# Allegro board RK3588S_Template_LP5D315P232SD10H2_42x42_2750MHz_1R2_V10_20220413YWQ.brd (continued)
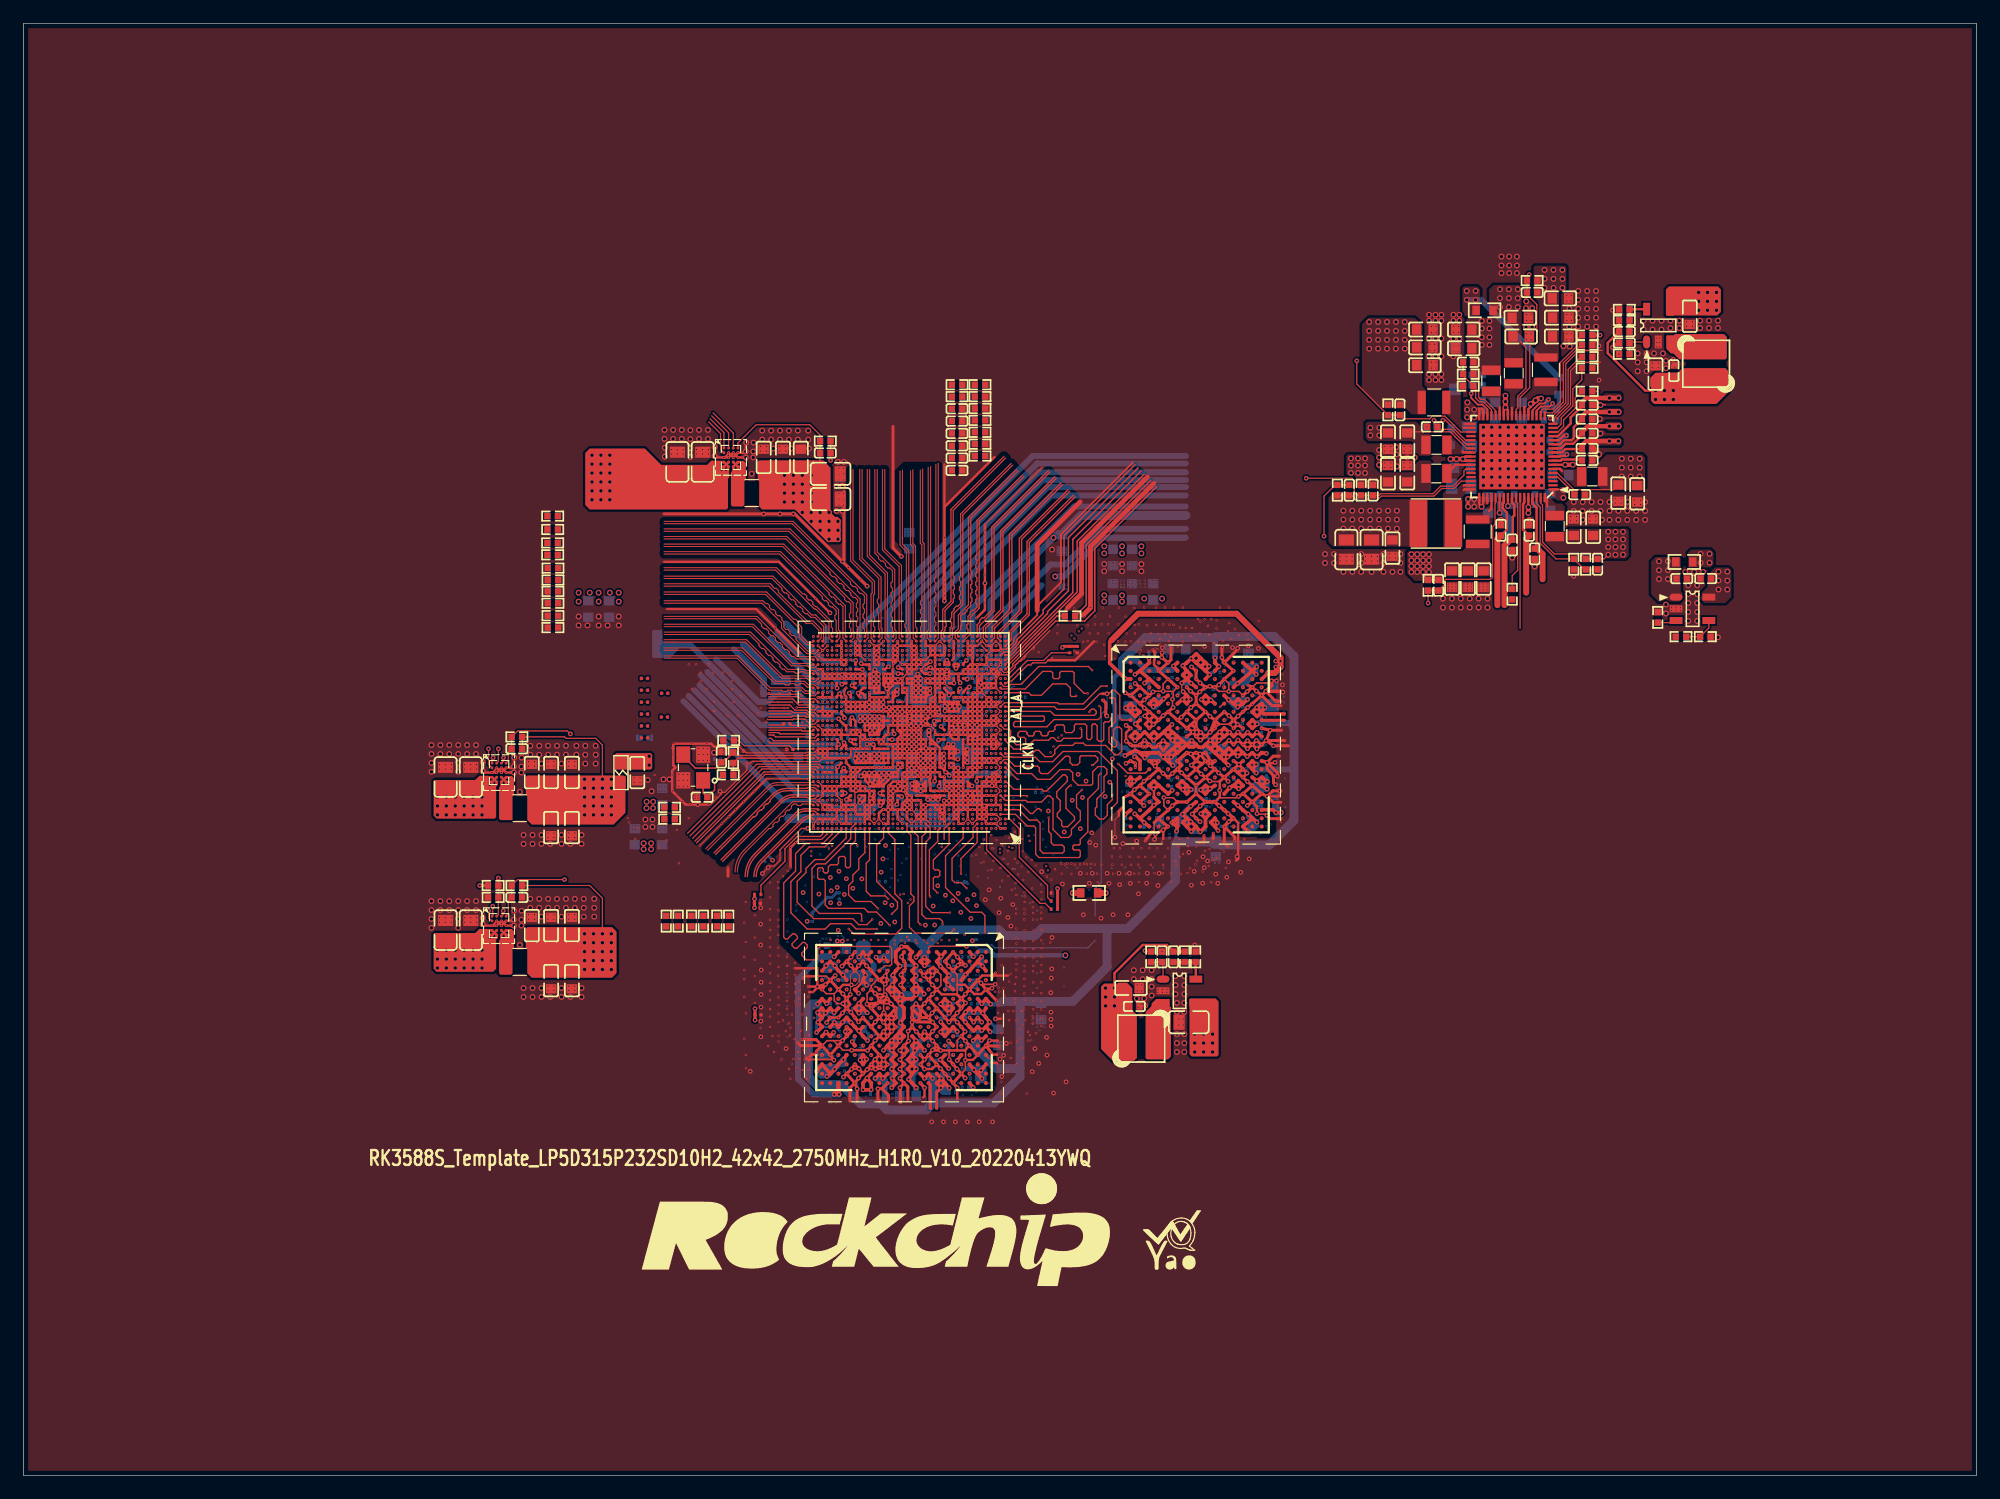
[diagram p0: board, top side]
## Routing (per net, layer and track width the routed paths; a pad name or vN(x,y) marks a point on that pad's centre or on a via; arc(x,y) is an arc through that point) (continued)
SDMMC_D3: length 21.2
  TOP w0.107: U1000.AT1 83.89,69.3 85.43,70.84 85.43,70.9 85.56,71.03
  TOP w0.122: 85.56,71.03 86.46,71.92 90.04,75.5 90.04,79.84 95.78,85.58
SDMMC_DET_L: length 12.9
  L3-S1 w0.076: v3(69.09,64.1) 69,64.1 68.63,63.73 68.14,63.73 67.94,63.93 66.24,63.93
  L3-S1 w0.102: 57.36,66.28 60.72,66.28 63.07,63.93 66.24,63.93
SDMMC_PWREN: length 13.4
  L3-S1 w0.076: 73.05,72.57 73.05,72.52 73,72.47 73,70.64 73.49,70.14 v3(73.49,70.1)
  L3-S1 w0.102: 73.05,83.29 73.05,72.57
SL_PWREN: length 10.3
  L3-S1 w0.076: v3(68.69,70.5) 68.44,70.5 68.2,70.74 68.2,71.34 66.98,72.57
  L3-S1 w0.102: 66.98,72.57 61.78,77.76
SLEEP1_RESET1_DEVOFF1_VSEL1: length 22.8
  TOP w0.102: 127.87,72.39 127.87,83.19 127.88,83.2 U2200.62
  L3-S1 w0.076: 66.2,62.79 66.52,62.47 67.86,62.47 v3(67.89,62.5)
  L3-S1 w0.102: 66.2,62.79 61.61,62.79 60.47,63.93 56.85,63.93
SPI2_CLK_M2: length 12.2
  L3-S1 w0.076: 66.24,63.32 67.83,63.32 68.04,63.12 68.45,63.12 68.67,62.9 v3(68.69,62.9)
  L3-S1 w0.102: 57.36,64.95 60.48,64.95 62.11,63.32 66.24,63.32
SPI2_MOSI_M2: length 13.5
  TOP w0.102: R1116.1 134.56,92.64
  L3-S1 w0.076: 66.14,62.38 66.39,62.13 68.32,62.13 v3(68.69,62.5)
  L3-S1 w0.102: 66.14,62.38 61.44,62.38 60.4,63.42 56.34,63.42
SPI4_MISO_M2_TP: length 8.1
  L3-S1 w0.076: 66.2,57.25 66.59,57.64 68.24,57.64 v3(68.29,57.7)
  L3-S1 w0.102: 66.2,57.25 62.56,53.61 62.56,52.96
SPI4_MOSI_M2_TP: length 10.5
  L3-S1 w0.076: v3(68.29,59.3) 68.22,59.3 68,59.08 66.24,59.08
  L3-S1 w0.102: 66.24,59.08 65.99,59.08 65.01,58.1 65.01,57.78 61.16,53.94 61.16,52.96
SPK_CTL_H: length 19.5
  L3-S1 w0.076: v3(78.29,69.7) 78.44,69.84 78.44,70.28 78.57,70.42 78.57,72.31 78.44,72.44 78.44,72.57
  L3-S1 w0.102: 78.44,72.57 78.44,73.45 77.73,74.16 77.73,77.29 78.08,77.65 78.08,82.98 77.5,83.56 77.5,88.34
TP_INT_L: length 5.6
  L3-S1 w0.076: v3(68.29,56.47) 67.38,56.47 66.24,55.34 66.24,55.28
  L3-S1 w0.102: 66.24,55.28 64.57,53.61 64.57,52.96
TP_RST_L: length 13.5
  L3-S1 w0.076: v3(68.69,59.7) 68.57,59.7 68.15,60.12 66.97,60.12 66.61,59.77 66.24,59.77
  L3-S1 w0.102: 59.26,52.16 59.26,53.21 64.86,58.82 65.81,59.77 66.24,59.77
TSADC_SHUT: length 12.5
  L3-S1 w0.076: 66.24,64.16 66.32,64.08 68,64.08 68.2,63.88 68.47,63.88 v3(68.69,64.1)
  L3-S1 w0.102: 57.36,66.59 60.79,66.59 63.22,64.16 66.24,64.16
TYPEC0_DP0_REXT: length 1.7
  L3-S1 w0.076: v4(79.67,71.68) 79.62,71.62 79.62,71.51 79.65,71.48 79.65,70.74 v3(79.89,70.5)
  L8-S3 w0.102: v5(79.38,71.86) 79.5,71.86 v4(79.67,71.68)
TYPEC0_OTG_DM: length 3.4
  L3-S1 w0.066: 80.34,74.22 80.22,74.1 80.22,70.97 v3(80.29,70.9)
TYPEC0_OTG_DP: length 3.5
  L3-S1 w0.066: 80.15,74.27 80.05,74.17 80.05,71.06 v3(79.89,70.9)
TYPEC0_OTG_VBUSDET: length 19.7
  L3-S1 w0.076: 79.27,72.57 79.27,72.48 79.2,72.41 79.2,71.33 79.34,71.19 79.34,70.14 79.71,69.77 79.96,69.77 80.29,70.1 v3(80.29,70.1)
  L3-S1 w0.102: 79.05,88.44 79.05,73.98 79.27,73.76 79.27,72.57
TYPEC0_SBU1: length 19
  L3-S1 w0.102: 81.26,89.97 81.26,73.96 80.82,73.51 80.82,71.58 81.09,71.31 v3(81.09,71.3)
TYPEC0_SBU1_DC: length 17.5
  L3-S1 w0.076: 76.23,72.95 76.44,72.74 76.44,71.18 76.3,71.03 76.3,70.5 v3(76.69,70.1)
  L3-S1 w0.102: 76.23,72.95 76.1,73.08 76.1,77.97 76.45,78.32 76.45,80.93 75.72,81.66 75.72,86.75
TYPEC0_SBU2: length 18.6
  L3-S1 w0.102: v3(81.09,71.7) 81.06,71.73 81.06,73.41 81.51,73.86 81.51,90.07
TYPEC0_SBU2_DC: length 17.4
  L3-S1 w0.076: v3(77.09,70.5) 77.44,70.84 77.44,71.79 76.95,72.28 76.95,72.95
  L3-S1 w0.102: 76.95,72.95 76.95,73.29 76.71,73.52 76.71,77.71 77.06,78.07 77.06,81.18 76.33,81.91 76.33,87.01
TYPEC0_SSRX1N: length 16.2
  TOP w0.097: U1000.BA10 80.9,71.91 80.9,73.34 81.66,74.1 81.66,81.53 85.5,85.37
TYPEC0_SSRX1P: length 16.6
  TOP w0.097: 85.36,85.5 81.47,81.61 81.47,78.69 81.37,78.6 81.37,78.32 81.47,78.22 81.47,77.94 81.37,77.85 81.37,77.57 81.47,77.47 81.47,77.19 81.37,77.09 81.37,76.82 81.47,76.72 81.47,76.44 81.37,76.34 81.37,76.06 81.47,75.97 81.47,75.69 81.37,75.59 81.37,75.31 81.47,75.22 81.47,74.94 81.37,74.84 81.37,74.56 81.47,74.46 81.47,74.18 81.24,73.95 81.1,73.95 80.9,73.76 80.9,73.62 80.71,73.42 80.71,72.77 80.61,72.67 80.61,72.4 80.71,72.3 80.71,72.02 80.39,71.7 U1000.BB10
TYPEC0_SSRX2N: length 17.3
  TOP w0.097: U1000.BA13 79.37,71.58 79.37,72.36 79.5,72.49 79.5,73.67 80.26,74.43 80.26,82.08 84.52,86.34
TYPEC0_SSRX2P: length 17.4
  TOP w0.097: 84.39,86.48 80.07,82.16 80.07,76.89 79.98,76.8 79.98,76.49 80.07,76.4 80.07,76.02 79.97,75.92 79.97,75.64 80.07,75.54 80.07,75.26 79.97,75.17 79.97,74.89 80.07,74.79 80.07,74.51 79.84,74.29 79.71,74.29 79.51,74.09 79.51,73.95 79.31,73.75 79.31,73.32 79.21,73.23 79.21,72.95 79.31,72.85 79.31,72.57 79.18,72.44 79.18,71.78 U1000.BB13
TYPEC0_SSTX1N: length 17
  TOP w0.097: U1000.BA11 79.61,71.58 79.61,72.09 79.88,72.36 79.88,73.53 80.74,74.39 80.74,81.87 84.87,85.99
TYPEC0_SSTX1P: length 16.8
  TOP w0.097: U1000.BB11 79.81,71.78 79.81,72.02 80.08,72.28 80.08,72.56 80.17,72.66 80.17,72.94 80.08,73.04 80.08,73.45 80.27,73.65 80.41,73.65 80.61,73.85 80.61,73.98 80.94,74.31 80.94,74.59 81.03,74.69 81.03,74.97 80.94,75.07 80.94,75.35 81.03,75.44 81.03,75.72 80.94,75.82 80.94,76.1 81.03,76.19 81.03,76.47 80.94,76.57 80.94,76.85 81.03,76.95 81.03,77.23 80.94,77.32 80.94,81.79 85,85.86
TYPEC0_SSTX2N: length 18.1
  TOP w0.097: 83.78,87.08 79.25,82.55 79.25,74.7 78.55,73.99 78.55,72.28 78.42,72.15 78.42,71.82 78.41,71.82 78.41,71.58 78.49,71.51 78.49,71.51 U1000.BA14
TYPEC0_SSTX2P: length 17.8
  TOP w0.097: U1000.BB14 78.61,71.78 78.61,72.07 78.74,72.2 78.74,72.48 78.84,72.57 78.84,72.85 78.74,72.95 78.74,73.91 79.44,74.62 79.44,74.89 79.54,74.99 79.54,75.27 79.44,75.37 79.44,75.65 79.54,75.74 79.54,76.02 79.44,76.12 79.44,76.4 79.54,76.49 79.54,76.77 79.44,76.87 79.44,82.47 83.92,86.94
TYPEC0_USB20_OTG_ID: length 0.7
  L3-S1 w0.102: v4(80.59,70.5) v3(80.29,70.5)
  L8-S3 w0.102: v5(80.45,70.87) 80.45,70.64 v4(80.59,70.5)
UART2_RX_M0: length 12.9
  L3-S1 w0.076: v3(68.29,66.1) 68.24,66.15 66.81,66.15 66.48,66.48
  L3-S1 w0.102: 57.36,70.96 61.89,70.96 66.37,66.48 66.48,66.48
UART2_TX_M0: length 13.4
  L3-S1 w0.076: 66.55,66.66 66.89,66.32 68.38,66.32 68.6,66.1 v3(68.69,66.1)
  L3-S1 w0.102: 66.55,66.66 66.48,66.66 61.98,71.16 57.36,71.16
UART9_CTSN_M2_BT: length 12.5
  L3-S1 w0.076: v3(71.89,70.9) 71.74,71.05 71.74,71.93 71.99,72.18 71.99,72.57
  L3-S1 w0.102: 71.99,72.57 71.99,75.22 71.53,75.68 71.53,83.03
UART9_RTSN_M2_BT: length 12.8
  L3-S1 w0.076: 72.21,72.57 72.21,72.18 71.9,71.87 71.9,71.3 v3(72.29,70.9)
  L3-S1 w0.102: 71.73,83.17 71.73,75.77 72.21,75.29 72.21,72.57 72.21,72.57
UART9_RX_M2_BT: length 13
  L3-S1 w0.076: 71.57,72.57 71.57,72.2 71.44,72.06 71.44,70.55 v3(71.89,70.1)
  L3-S1 w0.102: 71.57,72.57 71.57,75.06 71.12,75.51 71.12,82.66
UART9_TX_M2_BT: length 12.5
  L3-S1 w0.076: v3(72.29,70.5) 72.54,70.75 72.54,72.4 72.44,72.51 72.44,72.57
  L3-S1 w0.102: 72.44,82.83 72.44,72.57
USB20_HOST0_DM: length 5.6
  L3-S1 w0.066: 85.03,74.36 82.5,71.83 82.5,70.64 82.12,70.26 82.05,70.26 v3(81.89,70.1)
USB20_HOST0_DP: length 5.3
  L3-S1 w0.066: 84.85,74.42 82.33,71.9 82.33,70.71 82.05,70.43 81.96,70.43 v3(81.89,70.5)
USB20_HOST1_DM: length 3.8
  L3-S1 w0.066: 82.8,73.75 81.56,72.51 81.56,71.06 81.44,70.94 81.44,70.55 v3(81.48,70.51)
USB20_HOST1_DP: length 4.4
  L3-S1 w0.066: v3(81.48,70.1) 81.25,70.34 81.25,70.98 81.39,71.13 81.39,72.58 82.62,73.81
USB30_2_SSRXN: length 7.3
  TOP w0.107: U1000.C42 67.45,56.14 arc(67.38,56.19) 67.31,56.2 arc(66.93,56.12) 66.6,55.91 63.13,52.44 arc(62.75,51.86) 62.61,51.18
USB30_2_SSRXP: length 7.6
  TOP w0.107: U1000.D42 67.44,56.45 arc(67.38,56.41) 67.31,56.4 arc(66.85,56.31) 66.46,56.05 63.61,53.2 62.99,52.58 arc(62.57,51.94) 62.42,51.18
USB30_2_SSTXN: length 8.9
  TOP w0.107: U1000.D41 67.66,56.73 arc(67.61,56.77) 67.55,56.78 66.8,56.78 arc(66.44,56.71) 66.14,56.51 66.07,56.44 62.6,52.97 arc(62.05,52.15) 61.86,51.18
USB30_2_SSTXP: length 9.1
  TOP w0.107: 61.67,51.18 arc(61.87,52.22) 62.46,53.11 65.6,56.24 66,56.64 arc(66.37,56.89) 66.8,56.98 67.71,56.98 arc(67.81,56.96) U1000.E41
USB_AVDD_1V8: length 3.7
  TOP w0.203: 78.91,69.65 78.84,69.65 78.69,69.5 U1000.AT14 U1000.AT13 79.09,69.47 78.91,69.65 ; 78.91,69.65 v1(78.89,69.67)
  BOTTOM w0.305: 78.55,70.1 78.55,69.74 C1406.1 78.61,69.67 v1(78.89,69.67)
  BOTTOM w0.508: 78.55,70.1 78.55,70.6 R1401.1 R1402.1
USB_HOST_PWREN_H: length 18.6
  L3-S1 w0.076: v3(75.09,69.7) 75.34,69.46 75.6,69.46 76.14,70 76.14,71.09 76.29,71.24 76.29,72.62 75.95,72.96
  L3-S1 w0.102: 75.95,72.96 75.9,73.01 75.9,78.05 76.25,78.4 76.25,80.72 75.51,81.46 75.51,86.53
VSEL2: length 13.8
  TOP w0.104: v1(40.09,48.64) 40.09,47.84 U2300.A1
  L3-S1 w0.076: v3(68.69,64.5) 68.47,64.72 66.34,64.72 66.28,64.77
  L3-S1 w0.102: 66.28,64.77 64.5,64.77 61.02,68.25 57.36,68.25
VSEL3: length 16.3
  TOP w0.102: U2302.A1 59.85,89.12 58.67,90.3
  L3-S1 w0.076: v3(69.09,67.7) 68.74,68.05 67.1,68.05 66.21,68.95
  L3-S1 w0.102: 66.21,68.95 62.56,72.59 57.85,72.59
VSEL4: length 14.8
  L3-S1 w0.076: 66.24,65.18 66.33,65.18 66.48,65.02 69.24,65.02 69.89,65.68 v3(69.89,65.7)
  L3-S1 w0.102: 66.24,65.18 65.9,65.18 61.34,69.74 57.36,69.74
VSEL5: length 13.9
  L3-S1 w0.076: 66.65,66.85 67.03,66.47 68.45,66.47 68.6,66.32 68.87,66.32 v3(69.09,66.1)
  L3-S1 w0.102: 57.36,71.36 62.06,71.36 66.57,66.85 66.65,66.85
VSEL6: length 4.6
  TOP w0.102: U1000.AG42 67.34,65.85 66.23,65.85 65.73,66.35 63.69,66.35
  TOP w0.104: v1(40.13,61.34) 40.13,61.21 40.04,61.12 U2301.A1
WIFI_REG_ON_H: length 13
  L3-S1 w0.076: v3(68.29,67.3) 68.07,67.08 67.21,67.08 66.21,68.08
  L3-S1 w0.102: 57.36,71.97 62.32,71.97 66.21,68.08
WIFI_WAKE_HOST_H: length 13.7
  L3-S1 w0.076: 65.99,62.18 66.09,62.18 66.29,61.98 67.47,61.98 68.56,61.97 v3(69.09,62.5)
  L3-S1 w0.102: 56.11,63.19 60.34,63.19 61.36,62.18 65.99,62.18
XIN: length 12.9
  TOP w0.102: 67.01,61.58 67.61,61.58 U1000.T41
  TOP w0.127: Y1100.3 56.38,61.48 57.4,60.45 59.15,60.45 C1112.1 59.94,61.25 60.12,61.25 R1102.2 60.91,61.53 66.96,61.53 67.01,61.58
XOUT: length 8
  TOP w0.127: R1100.2 60.66,59.88 R1102.1 61.07,61.3 67.49,61.3 U1000.T42
N30600922: length 9.4
  TOP w0.107: R1202.1 87.31,48.89 86.87,48.89 82.29,53.47 U1000.A5
N30600936: length 6.7
  TOP w0.102: U1000.AM1 83.99,67.7 84.16,67.87 84.16,68.04 85.77,69.65 87.17,69.65 87.83,70.3 R1200.1
N30601110: length 8.8
  TOP w0.107: U1000.C1 84.25,56.1 85.09,55.26 85.09,52.83 87.5,50.42 87.5,49.4 R1201.1
N30601240: length 9
  TOP w0.107: U1000.A40 68.29,54.83 68.07,54.61 66.12,54.61 65.07,53.56 65.07,52.49 63.01,50.44 R1203.1
N30910269: length 2.5
  TOP w0.203: U2200.8 131.34,86.72 131.45,86.82 133.07,86.82 C2265.1
N30961579: length 7
  TOP w0.203: U2302.D3 60.65,86.59 U2302.E4 ; U2302.E4 61.51,86.19 61.59,86.11 ; U2302.E4 61.05,83.97 61.03,83.95 60.65,84.33 U2302.E3 60.65,86.2 U2302.D4 61.05,86.59 61.49,86.59 61.59,86.49
N30962042: length 2.4
  TOP w0.102: R2305.2 C2329.1 137.32,96.86 U2303.1
N30962062: length 3.4
  TOP w0.203: C2326.2 R2306.2 R2307.1 137.24,99.66 U2303.5
N30962978: length 7
  TOP w0.203: U2301.D3 U2301.E4 ; U2301.E4 41.69,59.27 41.78,59.18 ; U2301.E4 41.24,57.05 41.22,57.02 40.84,57.4 U2301.E3 U2301.D4 41.68,59.67 41.78,59.56
N30963105: length 7
  TOP w0.203: U2300.E4 41.69,46.19 41.78,46.1 ; U2300.E4 U2300.D3 ; U2300.E4 41.24,43.96 41.22,43.94 40.84,44.32 U2300.E3 U2300.D4 41.68,46.59 41.78,46.48
N31111434: length 3.9
  TOP w0.107: U1000.AB42 67.41,63.62 66.56,63.62 66.48,63.69 63.69,63.69
N31111436: length 4
  TOP w0.107: 63.69,64.82 65.63,64.82 65.71,64.9 66.8,64.9 66.89,64.81 67.19,64.81 U1000.AD42
N31111592: length 2.6
  TOP w0.107: U1000.AB41 67.61,63.98 67.08,63.98 66.96,64.1 65.61,64.1 R1309.1
N31277521: length 2.4
  TOP w0.102: R3950.2 C1291.1 97.37,43.79 U3902.1
N31277531: length 3.4
  TOP w0.203: U3902.5 100.17,43.86 R3952.1 R3951.2 C1292.2
N32124849: length 2.9
  TOP w0.102: U2304.4 144,72.43 R2310.1 R2309.2
N32124977: length 1.6
  TOP w0.102: R2311.1 141.02,72.88 U2304.3
N64919975: length 4
  TOP w0.127: Y1100.1 58.08,58.32 C1111.1 59.05,58.58 59.05,59.17 R1100.1
N65305579: length 1.9
  TOP w0.254: R3900.1 105.82,64.53 U3900.H15
N65308448: length 2.2
  TOP w0.254: R3901.1 77.48,33.39 U3901.H15

## Copper pours and planes (outline as drawn; the poured copper is in the pictures)
GND on TOP: 131.32,99.95 131.32,97.03 132.21,96.14 132.59,96.14 132.72,96.27 132.72,99.82 132.46,100.08 131.44,100.08
GND on TOP: 0.41,0.41 0.41,123.67 166.47,123.67 166.47,0.41 ; 1 cut-out
GND on BOTTOM, L2-GND1, L4-POWER1, L5-POWER2, L6-S2, L7-GND2, L8-S3, L9-GND3: 0.41,0.41 0.41,123.67 166.47,123.67 166.47,0.41
GND on L3-S1: 0.41,0.41 0.41,123.67 166.47,123.67 166.47,0.41 ; 1 cut-out
VCC1V8_PMU_DDR_S3 on TOP: 124.46,101.35 124.46,99.19 124.33,99.06 123.19,99.06 122.94,99.31 122.94,101.47 123.06,101.6 124.21,101.6
VCC1V8_PMU_DDR_S3 on L3-S1: 109.22,68.83 109.47,69.09 109.47,94.36 114.94,99.82 124.21,99.82 124.71,100.33 124.71,101.98 123.95,102.74 111,102.74 106.55,98.3 106.55,69.22 106.93,68.83
VCC1V8_PMU_DDR_S3 on L6-S2: 85.34,30.86 89.79,35.31 89.79,43.05 90.3,43.56 97.54,43.56 101.79,47.82 104.2,47.82 107.44,51.05 107.44,53.47 109.6,55.63 109.6,69.47 109.22,69.85 106.81,69.85 106.04,69.09 106.04,67.69 107.57,66.17 107.57,57.53 106.81,56.77 106.81,55.75 104.9,53.85 105.28,53.47 105.28,51.69 103.38,49.78 97.66,49.78 94.23,46.36 89.79,46.36 88.14,44.7 88.14,35.94 84.58,32.39 81.53,32.39 81.41,32.51 81.41,33.27 81.28,33.4 81.03,33.4 80.77,33.15 80.77,32.51 80.64,32.39 70.61,32.39 70.1,32.89 69.21,32.89 68.96,32.64 68.96,31.12 69.21,30.86
VCC_1V1_NLDO_S3 on TOP (solid shape): 145.67,94.36 145.67,92.58 144.65,91.57 139.32,91.57 139.06,91.82 139.06,93.85 139.45,94.23 140.2,94.23 140.21,94.23 140.33,94.21 140.46,94.23 140.47,94.23 141.35,94.23 141.73,94.61 145.41,94.61
VCC_1V1_NLDO_S3 on L3-S1: 136.02,94.11 140.72,94.11 141.35,93.47 141.35,91.69 140.84,91.19 139.7,91.19 134.37,85.85 131.32,85.85 131.19,85.98 131.19,89.28
VCC_1V8_S0 on BOTTOM (solid shape): 65.53,68.2 65.53,67.56 63.88,67.56 63.88,68.2 64.01,68.33 65.4,68.33
VCC_1V8_S0 on BOTTOM (solid shape): 71.5,58.16 71.6,58.14 71.7,58.16 71.71,58.17 71.75,58.17 72.01,57.91 72.01,57.81 71.97,57.74 71.95,57.68 71.95,57.56 72,57.45 72.01,57.44 72.01,57.4 72.14,57.28 72.39,57.28 72.52,57.4 73.28,57.4 73.41,57.28 73.41,57.15 73.28,57.02 73.02,57.02 71.75,55.75 69.98,55.75 69.85,55.88 69.85,56.39 69.98,56.51 70.66,56.51 70.71,56.5 70.75,56.49 70.86,56.49 70.91,56.5 70.97,56.52 71.12,56.52 71.25,56.64 71.25,57.6 71.27,57.63 71.27,57.84 71.25,57.86 71.25,58.04 71.37,58.17 71.5,58.17
VCC_1V8_S3 on TOP: 126.49,94.87 126.49,98.81 126.24,99.06 125.35,99.06 125.22,99.19 125.22,101.35 125.6,101.73 127.76,101.73 128.02,101.47 128.02,96.39 128.14,96.27 128.14,95 128.02,94.87
VCC_2V0_PLDO_S3 on TOP: 120.27,87.25 120.14,87.12 119.25,87.12 119.13,87.25 119,87.25 118.87,87.38 118.87,88.14 118.62,88.39 114.94,88.39 114.68,88.65 114.68,89.92 114.81,90.04 119,90.04 119.38,89.66 119.38,89.28 119.63,89.03 120.14,89.03 120.27,88.9
VCC_2V0_PLDO_S3 on L8-S3: 124.21,84.45 124.84,83.82 126.62,83.82 127.38,83.06 127.38,81.53 126.75,80.9 123.82,80.9 122.36,82.36 122.36,84.39 118.62,88.14 115.19,88.14 114.81,88.52 114.81,89.79 114.94,89.92 119.63,89.92 121.79,87.76 123.44,87.76 124.21,87
VCC_3V3_S0 on TOP: 141.48,78.49 139.45,78.49 139.06,78.11 139.06,75.31 139.7,74.68 141.48,74.68 141.73,74.93 141.73,75.44 141.6,75.56 141.6,78.36
VCC_3V3_S3 on TOP: 143.64,74.55 145.41,74.55 145.92,75.06 145.92,77.34 145.67,77.6 144.53,77.6 143.89,76.96 143.89,75.95 143.26,75.31 143.26,74.93
VCC_3V3_S3 on TOP: 134.49,86.49 134.49,84.58 134.87,84.2 138.3,84.2 138.56,84.45 138.56,87 138.3,87.25 135.25,87.25
VCC_SYSIN on TOP (solid shape): 145.03,101.35 145.03,99.44 144.72,99.12 141.03,99.12 141.02,99.11 140.41,99.11 140.33,99.19 140.33,101.35 140.59,101.6 144.78,101.6
VCC_SYSIN on TOP (solid shape): 102.11,40.51 102.11,35.94 101.98,35.81 99.82,35.81 99.63,36 99.63,40.07 99.62,40.08 99.62,40.69 99.69,40.77 101.85,40.77
VCC_SYSIN on TOP (solid shape): 39.75,58.93 40.39,58.93 40.39,56.26 40.26,56.13 35.31,56.13 35.05,56.39 35.05,59.31 35.18,59.44 38.61,59.44 38.96,59.79 39.75,59.79
VCC_SYSIN on TOP (solid shape): 39.75,45.85 40.39,45.85 40.39,43.31 40.13,43.05 35.31,43.05 35.05,43.31 35.05,46.23 35.18,46.36 38.61,46.36 38.96,46.71 39.75,46.71
VCC_SYSIN on TOP (solid shape): 54.48,86.36 58.42,86.36 58.77,86.71 59.56,86.71 59.56,85.85 60.2,85.85 60.2,82.68 60.07,82.55 48.39,82.55 48.01,82.93 48.01,87.38 48.39,87.76 53.09,87.76
VCC_SYSIN on TOP: 123.32,90.17 124.83,90.17 124.83,91.2 124.71,91.31 124.33,91.31 123.7,91.95 123.19,91.95 123.06,91.82 123.06,90.42
VCC_SYSIN on TOP: 125.18,83.14 125.18,83.69 123.32,83.69 123.19,83.57 123.19,82.68 123.32,82.55 124.59,82.55
VCC_SYSIN on TOP: 130.3,84.07 130.3,84.33 131.19,84.33 131.32,84.45 131.7,84.45 131.83,84.33 131.83,83.44 131.7,83.31 131.06,83.31
VCC_SYSIN on BOTTOM: 121.79,89.03 121.67,89.15 121.67,89.79 121.92,90.04 121.92,91.69 122.17,91.95 123.57,91.95 124.33,91.19 124.33,89.15 124.21,89.03
VCC_SYSIN on BOTTOM: 125.22,92.33 125.22,91.31 125.48,91.06 127,91.06 127.25,91.31 129.16,91.31 129.54,91.69 129.79,91.69 129.92,91.82 129.92,92.46 129.79,92.58 125.48,92.58
VCC_SYSIN on BOTTOM: 128.27,82.17 128.27,83.06 128.4,83.19 130.94,83.19 131.19,83.44 131.19,84.84 131.44,85.09 131.44,86.49 131.57,86.61 132.59,86.61 132.72,86.49 132.72,84.07 131.89,83.25 131.89,82.68 131.13,81.91 129.03,81.91 128.91,82.04 128.4,82.04
VCC_SYSIN on BOTTOM: 121.03,83.44 121.03,86.61 121.54,87.12 123.06,87.12 123.19,87 123.19,86.74 122.94,86.49 122.94,83.82 123.06,83.69 124.08,83.69 124.21,83.57 124.21,83.31 124.46,83.06 125.22,83.06 125.6,82.68 125.6,81.79 125.22,81.41 123.06,81.41
VCC_SYSIN on L5-POWER2: 110.87,22.48 67.56,22.48 63.25,26.8 63.25,32 56.13,39.12 43.18,39.12 41.66,40.64 41.66,74.04 50.42,82.8 50.42,87.63 50.16,87.88 37.59,87.88 26.8,77.09 26.8,24.89 35.18,16.51 130.68,16.51 149.73,35.56 149.73,99.31 147.45,101.6 139.83,101.6 130.94,92.71 124.08,92.71 123,91.63 123,88.46 121.54,87 121.54,84.2 131.57,74.17 131.57,43.18
VCCA_3V3_S0 on TOP: 142.24,78.87 142.24,77.6 144.14,77.6 144.4,77.85 144.4,78.87 144.14,79.12 142.49,79.12
VCCIO5 on L8-S3 (solid shape): 65.53,65.41 65.53,65.02 64.9,65.02 62.74,67.18 62.74,67.44 62.86,67.56 63.37,67.56
VCCIO5 on BOTTOM: 63.48,66.55 63.36,66.44 63.18,66.44 63.14,66.4 62.75,66.79 62.75,68.06 62.86,68.17 63.48,68.17
VCCIO_FLASH on BOTTOM (solid shape): 54.61,72.14 54.61,71.37 54.74,71.25 55.88,71.25 56.01,71.12 56.01,70.61 55.24,69.85 53.85,69.85 53.72,69.98 53.72,72.14 53.85,72.26 54.48,72.26
VDD2_DDR_S3 on BOTTOM (solid shape): 99.6,63.04 99.9,63.04 100.02,62.92 100.02,62.48 99.88,62.34 99.25,62.34 98.55,61.63 98.55,60.57 98.45,60.48 98.09,60.48 97.48,61.09 95.76,61.09 95.63,61.21 95.63,61.47 95.76,61.59 96.27,61.59 96.38,61.71 96.38,62.41 97.63,62.41 97.89,62.66 97.89,62.95 98.09,63.15 99.5,63.15
VDD2_DDR_S3 on TOP: 124.59,93.98 126.11,93.98 126.24,94.11 126.24,98.68 125.98,98.93 123.44,98.93 123.32,98.81 123.32,95.88 123.57,95.63 123.57,93.85 123.7,93.73 124.33,93.73
VDD2_DDR_S3 on BOTTOM: 103.52,63.8 105,63.8 105.08,63.81 105.84,63.81 105.98,63.67 105.98,63.27 102.87,63.27 102.61,63.02 102.61,62.61 102.62,62.61 102.74,62.48 103,62.48 103.12,62.36 103.12,62.23 103.3,62.05 104.04,62.05 104.38,61.71 105.52,61.71 105.86,62.05 106.31,62.05 106.47,61.89 106.47,61.45 106.42,61.4 105.92,61.4 105.8,61.28 103.54,61.28 103.31,61.05 103.31,60.21 103.14,60.21 103.14,60.21 102.86,60.21 101.75,61.32 101.75,62.48 101.62,62.61 101.09,62.61 100.84,62.87 100.84,63.12 100.96,63.25 101.62,63.25 101.75,63.37 101.75,63.85 101.94,64.04 103.28,64.04
VDD2_DDR_S3 on BOTTOM: 98.68,59.05 101.47,59.05 101.6,58.93 101.6,58.55 101.35,58.29 98.81,58.29 98.55,58.55 98.55,58.93
VDD2_DDR_S3 on BOTTOM: 101.09,54.86 101.22,54.99 101.22,55.37 100.46,55.37 100.33,55.24 100.08,55.24 99.95,55.37 99.95,55.88 99.57,56.26 99.57,56.64 99.95,57.02 99.95,57.28 99.82,57.4 99.06,57.4 98.04,56.39 98.04,55.5 98.81,55.5 99.44,54.86
VDD2_DDR_S3 on BOTTOM: 78.23,39.24 78.61,39.24 78.87,39.5 78.87,40 78.36,40 78.1,40.26 78.1,40.51 78.23,40.64 79.63,40.64 79.76,40.51 79.76,40.26 79.38,39.88 79.38,39.37 78.49,38.48 78.49,38.35 78.61,38.23 79.88,38.23 80.01,38.1 80.01,37.47 79.88,37.34 79.63,37.34 79.38,37.59 78.36,37.59 78.1,37.85 78.1,39.12
VDD2_DDR_S3 on BOTTOM: 71.63,40.64 71.37,40.64 71.12,40.39 71.12,39.5 71.37,39.24 72.26,39.24 72.39,39.37 72.39,39.62 71.75,40.26 71.75,40.51
VDD2_DDR_S3 on BOTTOM: 67.94,37.72 67.56,37.72 67.44,37.85 67.44,39.5 67.82,39.88 69.21,39.88 70.1,38.99 70.74,38.99 71.25,38.48 72.01,38.48 72.39,38.1 72.39,37.08 72.26,36.96 71.88,36.96 71.75,37.08 71.75,37.47 70.74,38.48 69.21,38.48 68.45,39.24 68.2,39.24 68.07,39.12 68.07,37.85
VDD2_DDR_S3 on BOTTOM: 76.58,35.94 76.71,36.07 77.09,36.07 77.22,36.2 77.22,36.45 76.96,36.7 76.96,37.34 76.83,37.47 76.2,37.47 75.95,37.21 75.95,36.96 75.69,36.7 75.69,34.29 75.44,34.04 75.44,33.66 75.82,33.27 75.82,32 75.95,31.88 76.58,31.88 76.71,32 76.71,32.89 76.58,33.02
VDD2_DDR_S3 on BOTTOM: 82.04,39.88 80.52,39.88 80.26,39.62 80.26,38.73 80.52,38.48 80.77,38.73 80.77,39.24 80.9,39.37 81.53,39.37 81.66,39.24 82.04,39.24 82.3,39.5 82.3,39.62
VDD2_DDR_S3 on BOTTOM: 74.17,32.89 74.29,32.89 74.55,33.15 74.55,36.58 75.44,37.47 75.44,40.64 75.69,40.89 77.09,40.89 77.22,41.02 77.22,41.66 76.96,41.91 76.58,41.91 76.58,43.56 76.33,43.81 74.68,43.81 74.68,43.43 74.8,43.31 75.82,43.31 76.07,43.05 76.07,41.53 75.95,41.4 74.93,41.4 74.55,41.78 74.55,42.67 74.29,42.93 74.17,42.93 74.04,42.8 74.04,40.89 74.42,40.51 74.42,37.85 73.28,36.7 73.28,36.32 73.91,35.69 73.91,33.15
VDD2_DDR_S3 on BOTTOM: 98.7,69.72 98.7,70.87 98.96,71.12 100.03,71.12 101.34,69.81 101.34,69.35 101.7,68.99 101.7,68.2 101.57,68.07 101.09,68.07 100.82,68.34 100.82,69.37 100.65,69.54 99.41,69.54 99.28,69.4 99.28,67.09 99.82,66.55 100.58,66.55 100.84,66.8 101.85,66.8 101.85,66.04 101.73,65.91 98.93,65.91 98.55,66.29 98.55,68.45 98.81,68.71 98.81,69.62
VDD2_DDR_S3 on BOTTOM: 83.69,37.72 83.82,37.85 83.82,38.48 83.31,38.99 82.42,38.99 82.3,38.86 82.3,38.61 81.91,38.23 81.79,38.23 81.66,38.1 81.41,38.1 81.28,37.97 81.28,37.85 81.41,37.72
VDD2_DDR_S3 on L5-POWER2: 68.21,35.81 68.21,37 67.82,37.38 67.57,37.38 67.57,38.01 67.7,38.14 67.7,39.79 67.82,39.92 69.35,39.92 69.6,39.66 69.6,39.41 69.86,39.16 70.87,39.16 71,39.28 71,40.43 71.63,41.06 73.79,41.06 73.92,41.19 73.92,42.71 74.43,43.22 74.43,45.38 74.56,45.51 75.95,45.51 76.08,45.38 76.08,43.98 76.71,43.35 77.22,43.35 77.6,42.97 77.6,40.93 77.98,40.55 79.25,40.55 79.38,40.43 80.02,40.43 80.4,40.04 82.05,40.04 82.05,39.79 82.18,39.66 82.18,39.28 82.43,39.03 82.68,39.03 82.81,38.9 82.81,38.52 82.68,38.39 82.68,38.01 82.81,37.89 82.81,37.76 82.43,37.38 81.92,37.38 81.79,37.25 81.41,37.25 81.16,37 81.16,35.85 80.91,35.6 79.89,35.6 78.87,34.58 78.87,32.93 79.64,32.17 83.45,32.17 85.67,34.39 85.67,34.65 85.86,34.84 85.86,42.42 92.08,48.64 92.08,48.64 92.2,48.76 92.2,49.91 93.43,51.14 97.33,51.14 98.43,52.24 98.43,54.14 97.67,54.9 97.67,57.95 97.29,58.33 97.03,58.33 96.4,58.97 96.4,59.22 96.15,59.48 93.73,59.48 93.61,59.6 93.61,61.63 94.62,62.65 94.62,63.16 94.75,63.29 95.89,63.29 95.89,66.33 96.27,66.71 96.91,66.71 97.42,67.22 97.42,67.35 97.92,67.35 98.18,67.6 98.56,67.6 98.81,67.86 98.81,69.25 99.57,70.02 100.08,70.02 100.46,69.64 104.4,69.64 104.44,69.6 107.44,69.6 111.32,73.47 119.32,73.47 120.65,74.8 120.65,78.74 118.24,81.15 118.24,83.19 116.71,84.71 116.71,94.87 117.09,95.25 117.98,95.25 118.74,96.01 118.74,99.82 118.87,99.95 124.71,99.95 126.75,97.92 126.75,93.22 126.49,92.96 123.7,92.96 122.81,92.08 122.81,88.52 121.41,87.12 121.41,83.82 131.32,73.91 131.32,48.13 106.21,23.03 70.06,23.03 67.18,25.91 67.18,33.15 66.93,33.4 66.93,34.54
VDD2L_0V9_DDR_S3 on TOP (solid shape): 94.74,41.66 94.74,40.9 94.74,40.89 94.72,40.77 94.74,40.64 94.74,40.64 94.74,39.75 95.12,39.37 95.12,35.69 94.87,35.43 93.09,35.43 92.07,36.45 92.07,41.78 92.33,42.04 94.36,42.04
VDD2L_0V9_DDR_S3 on BOTTOM: 101.44,54.86 101.44,55.3 101.72,55.58 101.72,55.87 101.86,56.01 102.18,56.01 102.41,55.78 102.41,55.32 102.31,55.23 102.31,54.9 102.32,54.9 102.74,54.48 106.43,54.48 108.2,56.26 108.2,59.94 108.08,60.07 105.66,60.07 105.41,59.82 105.16,60.07 105.16,60.58 105.54,60.96 105.92,60.58 107.06,60.58 107.31,60.83 107.31,63.63 106.93,64.01 105.03,64.01 104.77,64.26 104.77,64.77 105.16,64.77 105.41,64.52 107.7,64.52 108.08,64.9 108.08,69.98 106.68,71.37 102.62,71.37 102.11,70.87 102.11,69.34 102.23,69.22 102.23,68.96 102.11,68.96 101.6,69.47 101.6,69.85 101.47,69.98 101.47,70.87 101.09,71.25 96.27,71.25 95.63,70.61 95.63,69.6 96.14,69.09 97.79,69.09 98.17,69.47 98.3,69.47 98.55,69.22 98.55,68.83 98.3,68.58 95.76,68.58 95.63,68.71 94.36,68.71 93.6,67.94 93.6,65.15 93.73,65.02 95,65.02 95.12,64.9 95.12,64.52 95.25,64.39 95.25,64.14 95.12,64.01 94.87,64.01 94.36,64.52 93.85,64.52 93.6,64.26 93.6,62.87 93.98,62.48 94.23,62.48 94.74,61.98 95,61.98 95.12,61.85 95.12,61.34 95,61.21 94.87,61.21 94.11,61.98 93.6,61.98 92.96,62.61 92.96,65.53 92.84,65.66 92.84,69.22 95.76,72.14 107.06,72.14 109.09,70.1 109.09,55.88 106.68,53.47 100.84,53.47 99.31,51.94 99.31,50.29 93.85,44.83 93.85,40.26 93.41,39.81 89.09,39.81 89.03,39.88 85.85,39.88 85.6,39.62 85.6,34.04 82.93,31.37 77.85,31.37 77.34,30.86 73.53,30.86 73.02,31.37 71.37,31.37 69.72,33.02 67.56,33.02 66.67,33.91 66.67,40.13 67.31,40.77 68.96,40.77 69.09,40.64 69.09,40.13 68.83,39.88 67.69,39.88 67.44,39.62 67.44,37.59 67.94,37.59 68.45,38.1 69.34,38.1 69.47,37.97 69.47,37.59 68.71,36.83 67.82,36.83 67.44,36.45 67.44,34.29 67.94,33.78 70.1,33.78 71.75,32.13 73.15,32.13 73.28,32.26 73.28,33.53 73.15,33.66 72.64,33.66 72.52,33.78 72.52,34.16 72.77,34.42 73.41,34.42 73.91,33.91 73.91,31.88 74.04,31.75 77.09,31.75 77.22,31.88 77.22,33.4 76.71,33.91 76.71,34.04 77.22,34.54 77.85,34.54 78.1,34.29 78.1,32.39 78.23,32.26 82.8,32.26 84.2,33.66 84.2,34.16 83.95,34.42 82.8,34.42 80.9,36.32 80.9,37.21 81.15,37.47 81.91,37.47 82.04,37.34 82.04,36.45 83.31,35.18 84.33,35.18 84.58,35.43 84.58,39.37 83.95,40 81.53,40 81.41,40.13 81.41,40.51 81.79,40.89 89.41,40.89 92.2,43.69 92.2,46.1 91.95,46.36 87.38,46.36 86.74,45.72 83.57,45.72 83.18,46.1 78.61,46.1 77.6,45.09 77.6,43.56 77.47,43.43 76.83,43.43 76.58,43.69 76.58,45.09 76.07,45.59 74.93,45.59 74.68,45.34 74.68,44.45 73.91,43.69 73.15,43.69 72.64,44.2 72.64,45.47 73.53,46.36 77.85,46.36 78.49,46.99 83.69,46.99 84.07,46.61 86.23,46.61 86.87,47.24 94.23,47.24 97.92,50.93 97.92,53.85 98.3,54.23 98.3,55.12 98.42,55.24 98.55,55.24 98.68,55.12 98.68,54.86 98.93,54.61 101.19,54.61
VDD_0V75_S3 on TOP: 135.13,92.46 136.4,92.46 136.52,92.33 136.52,91.95 136.4,91.82 135,91.82 134.87,91.95 134.87,92.2
VDD_CPU_BIG0_S0 on TOP (solid shape): 50.67,46.48 50.67,42.93 50.29,42.55 43.43,42.55 43.05,42.93 43.05,44.96 42.93,45.09 42.93,46.74 43.05,46.86 50.29,46.86
VDD_CPU_BIG0_S0 on BOTTOM (solid shape): 75.06,60.45 75.06,59.79 74.75,59.49 74.18,59.49 74.18,59.42 74.05,59.42 73.66,59.03 73.56,59.03 73.5,59.05 73.47,59.05 73.41,59.05 73.15,59.05 72.9,58.8 72.52,58.8 72.14,58.42 71.88,58.42 71.88,58.8 72.01,58.93 72.19,58.93 72.21,58.98 72.21,59.09 72.23,59.12 72.25,59.17 72.39,59.31 72.39,59.56 72.29,59.67 72.27,59.65 72.24,59.67 72.08,59.68 71.95,59.6 71.93,59.59 71.92,59.59 71.84,59.59 71.76,59.56 71.4,59.56 71.39,59.57 71.27,59.59 71.16,59.57 71.15,59.56 70.76,59.56 70.68,59.59 70.61,59.59 70.59,59.59 70.48,59.69 70.48,59.94 70.53,59.95 70.59,59.97 70.64,60 70.7,60.06 71.62,60.06 71.73,60.17 71.91,60.17 71.91,60.19 72.38,60.19 72.4,60.17 72.63,60.17 72.65,60.19 72.71,60.19 72.96,60.45 74.04,60.45 74.29,60.71 74.8,60.71